# Allegro board SG2042_EVB_V2_0.brd (continued)
## Copper pours and planes (outline as drawn; the poured copper is in the pictures) (continued)
GND on ART03 (solid shape): 110.11,300.42 110.08,300.36 109.58,300.36 109.42,300.31 109.3,300.2 105.76,300.2 105,300.96 104.94,301 104.88,301.02 103.89,301.02 103.89,301.27 109.26,301.27
GND on ART03 (solid shape): 120.35,300.42 120.32,300.36 119.82,300.36 119.66,300.31 119.54,300.2 116,300.2 115.24,300.96 115.18,301 115.11,301.02 114.13,301.02 114.13,301.27 119.5,301.27
GND on ART03 (solid shape): 130.58,300.42 130.56,300.36 130.05,300.36 129.9,300.31 129.78,300.2 126.24,300.2 125.47,300.96 125.42,301 125.35,301.02 124.37,301.02 124.37,301.27 129.73,301.27
GND on ART03 (solid shape): 140.82,300.42 140.79,300.36 140.29,300.36 140.13,300.31 140.01,300.2 136.47,300.2 135.71,300.96 135.65,301 135.59,301.02 134.6,301.02 134.6,301.27 139.97,301.27
GND on ART03 (solid shape): 16.76,17.75 16.76,10.54 16.61,10.38 16.54,10.39 16.49,10.39 16.41,10.37 16.31,10.45 16.31,17.75 16.41,17.83 16.44,17.82 16.54,17.8 16.63,17.82 16.66,17.83
GND on ART03 (solid shape): 178.62,287.31 178.59,287.25 172.27,287.25 172.25,287.31 173.71,288.77 173.79,288.77 174.02,288.87 174.12,289.1 174.11,289.18 174.08,289.26 174.07,289.28 174.14,289.41 176.53,289.41
GND on ART03 (solid shape): 15.47,17.03 15.58,16.95 15.72,16.92 15.77,16.92 15.84,16.94 15.95,16.86 15.95,11.06 15.84,10.98 15.77,11 15.72,11 15.65,10.99 15.29,11.35 15.29,17 15.45,17.06
GND on ART03 (solid shape): 49.99,207.62 50.07,207.58 50.16,207.57 50.21,207.57 50.29,207.59 50.39,207.51 50.39,204.63 50.29,204.55 50.21,204.57 50.16,204.57 50.07,204.56 49.99,204.52 49.97,204.51 49.84,204.58 49.84,207.56 49.97,207.63
GND on ART03 (solid shape): 42.67,274.92 42.67,259.36 42.19,258.87 42.11,258.88 42.02,258.86 41.94,258.83 41.86,258.87 41.86,258.9 42.16,259.21 42.2,259.27 42.22,259.33 42.22,274.92 42.32,275 42.35,274.99 42.44,274.98 42.54,274.99 42.56,275
GND on ART03 (solid shape): 50.19,177.97 50.19,160.01 50.09,159.93 50.03,159.94 49.99,159.94 49.95,159.94 49.89,159.93 49.78,160.01 49.78,174.51 49.77,174.58 49.73,174.64 49.63,174.74 49.63,177.92 49.74,178 49.81,177.98 49.86,177.98 49.95,177.99 50.03,178.03 50.06,178.04
GND on ART03 (solid shape): 52.7,290.38 52.7,290.35 52.67,290.19 52.66,290.03 52.85,289.31 53.38,288.79 53.41,288.77 53.37,288.6 44.69,288.6 44.66,288.66 45.39,289.38 51.39,289.38 51.46,289.4 51.52,289.43 52.55,290.47
GND on ART03 (solid shape): 70.42,288.66 70.39,288.6 64.21,288.6 64.16,288.77 64.2,288.79 64.72,289.31 64.92,290.03 64.75,290.69 64.29,291.2 64.26,291.22 64.31,291.39 67.69,291.39
GND on ART03 (solid shape): 39.42,271.17 39.42,268.41 39.36,268.39 38.94,268.81 38.94,271.32 38.61,271.65 38.28,271.32 38.28,271.24 37.9,270.86 37.86,270.81 37.85,270.74 37.85,264.75 37.45,264.35 37.39,264.38 37.39,273.12 37.45,273.14
GND on ART03 (solid shape): 211.35,169.48 211.35,168.96 210.82,168.42 210.74,168.43 210.62,168.4 210.51,168.33 210.49,168.31 210.34,168.37 210.34,168.94 210.49,169 210.51,168.98 210.62,168.91 210.74,168.88 210.98,168.98 211.07,169.21 211.07,169.29 211.29,169.51
GND on ART03 (solid shape): 178.63,291.22 178.6,291.2 178.15,290.69 177.98,290.03 177.99,289.94 178,289.81 177.85,289.74 177.06,290.52 177,290.56 176.94,290.58 172.57,290.58 172.5,290.56 172.44,290.52 171.56,289.65 171.41,289.73 171.42,289.76 171.44,289.89 171.44,290.03 171.28,290.69 170.82,291.2 170.79,291.22 170.84,291.39 178.58,291.39
GND on ART03 (solid shape): 168.62,290.33 168.61,290.3 168.59,290.16 168.59,290.03 168.75,289.37 169.19,288.86 169.22,288.83 169.17,288.67 163.26,288.67 163.19,288.66 163.14,288.62 129.23,254.71 123.7,254.71 123.63,254.7 123.57,254.66 119.12,250.21 119.09,250.16 119.07,250.09 119.07,249.55 118.62,249.55 118.62,249.97 123.51,254.86 129.09,254.86 129.16,254.88 129.22,254.92 163.13,288.82 166.8,288.82 166.87,288.84 166.93,288.88 168.47,290.41
GND on ART03 (solid shape): 201.08,301.38 201.08,300.65 201.1,300.58 201.13,300.52 201.56,300.1 201.55,300.02 201.58,299.9 201.65,299.79 201.67,299.77 201.61,299.62 200.95,299.62 200.89,299.77 200.91,299.79 200.98,299.9 201.01,300.02 200.91,300.26 200.68,300.36 200.6,300.35 200.27,300.68 200.27,301.38 200.42,301.44 200.44,301.42 200.68,301.32 200.91,301.42 200.93,301.44
GND on ART03 (solid shape): 109.1,67.71 109.09,67.64 109.17,67.42 109.38,67.31 109.42,67.31 109.42,67.11 109.38,67.1 109.09,66.78 109.38,66.45 109.42,66.44 109.42,66.25 109.38,66.24 109.09,65.91 109.38,65.59 109.42,65.58 109.42,65.38 109.35,65.37 103.03,71.69 103.06,71.75 105.06,71.75
GND on ART03 (solid shape): 62.71,291.22 62.68,291.2 62.22,290.69 62.06,290.03 62.25,289.31 62.78,288.79 62.81,288.77 62.77,288.6 54.81,288.6 54.76,288.77 54.8,288.79 55.32,289.31 55.52,290.03 55.35,290.69 54.9,291.2 54.87,291.22 54.92,291.39 62.66,291.39
GND on ART03 (solid shape): 201.62,301.86 201.6,301.82 201.56,301.74 201.55,301.65 201.65,301.42 201.88,301.32 202.01,301.34 202.12,301.42 202.14,301.44 202.29,301.38 202.29,300.61 202.3,300.54 202.34,300.48 202.73,300.1 202.72,300.02 202.74,299.9 202.82,299.79 202.84,299.77 202.78,299.62 202.16,299.62 202.09,299.77 202.12,299.79 202.19,299.9 202.21,300.02 202.12,300.26 201.88,300.36 201.81,300.35 201.44,300.72 201.44,301.95 201.5,301.98
GND on ART03 (solid shape): 31.32,190.12 31.32,190.07 31.41,189.83 31.65,189.74 31.7,189.74 31.76,189.76 31.78,189.77 31.89,189.69 31.89,186.16 31.78,186.08 31.76,186.09 31.7,186.1 31.65,186.11 31.32,185.78 31.65,185.44 31.7,185.45 31.76,185.46 31.78,185.47 31.89,185.39 31.89,181.86 31.78,181.79 31.76,181.79 31.7,181.81 31.65,181.81 31.32,181.48 31.65,181.15 31.7,181.16 31.76,181.17 31.78,181.18 31.89,181.1 31.89,177.6 31.83,177.57 30.39,179.02 30.39,189.4 31.17,190.18
GND on ART03 (solid shape): outline of 82 points within 45.27,290.35 52.86,292.2
GND on ART03 (solid shape): 210.54,276.95 210.66,276.86 210.79,276.83 210.91,276.85 211.01,276.91 211.04,276.94 212.06,275.92 212.01,275.77 211.98,275.77 211.77,275.66 211.68,275.44 211.78,275.2 212.01,275.11 212.24,275.19 212.34,275.4 212.35,275.43 212.49,275.49 215.21,272.77 215.21,271.31 215.15,271.28 210.36,276.07 210.36,276.33 210.46,276.33 210.46,276.28 210.57,276.06 210.79,275.97 211.13,276.3 210.79,276.63 210.66,276.6 210.54,276.52 210.52,276.49 210.36,276.55 210.36,276.92 210.52,276.98
GND on ART03 (solid shape): 39.45,277.61 39.45,275.54 39.46,275.47 39.5,275.41 40.64,274.27 40.64,273.97 40.53,273.89 40.46,273.91 40.41,273.91 40.18,273.82 40.08,273.58 40.17,273.36 40.39,273.25 40.44,273.2 40.44,272.71 40.37,272.68 38.94,274.11 38.94,274.8 38.84,275.04 38.61,275.13 38.48,275.11 38.38,275.04 38.35,275.01 38.2,275.08 38.2,275.74 38.31,275.81 38.38,275.8 38.43,275.79 38.76,276.12 38.43,276.45 38.38,276.45 38.31,276.43 38.2,276.51 38.2,276.65 38.27,276.65 38.28,276.64 38.35,276.62 38.43,276.61 38.66,276.7 38.76,276.94 38.75,277.01 39.38,277.64
GND on ART03 (solid shape): outline of 129 points within 147.13,67.94 148.94,72.59
GND on ART03 (solid shape): outline of 138 points within 51.51,117.57 58.83,130.95
GND on ART03 (solid shape): outline of 144 points within 36.34,279.53 46.69,292.4
GND on ART03 (solid shape): outline of 149 points within 150.62,66.95 152.9,72.59
GND on ART03 (solid shape): outline of 221 points within 205.72,251.6 210.62,269.75
GND on ART03 (solid shape): outline of 243 points within 203.81,251.56 206.86,267.93
GND on ART03 (solid shape): outline of 1517 points within 156.97,283.4 210.41,301.68
GND on ART03 (solid shape): outline of 1735 points within 36.47,204.73 47.8,261.08
GND on ART03 (solid shape): outline of 2144 points within 204.34,80.25 225.91,171.57
GND on ART03 (solid shape): outline of 2666 points within 179.13,226.53 213.99,291.39
GND on ART03 (solid shape): outline of 3328 points within 14.81,126.32 47.32,264.32
GND on ART03 (solid shape): outline of 4474 points within 131.05,249.55 185.95,285.06
GND on ART03 (solid shape): outline of 5330 points within 41.86,247.91 102.45,286.41
GND on ART03 (solid shape): outline of 89414 points within 0.31,0.31 243.53,304.49
GND on GND04 (solid shape): outline of 232673 points within 0.31,0.31 243.53,304.49
GND on ART05 (solid shape): 25.15,200.17 25.15,191.34 24.75,190.95 24.69,190.98 24.69,200.54 24.75,200.57
GND on ART05 (solid shape): 25.17,217.95 25.17,209.53 24.75,209.11 24.69,209.14 24.69,218.34 24.75,218.37
GND on ART05 (solid shape): 107.73,139.1 107.7,139.04 106.98,139.04 105.67,140.36 105.67,140.72 106.12,140.72
GND on ART05 (solid shape): 199.61,156.1 199.14,155.63 154.36,155.63 154.33,155.69 154.8,156.16 199.58,156.16
GND on ART05 (solid shape): 18.31,167.71 18.31,159.92 15.98,157.58 15.45,157.58 15.38,157.57 15.33,157.53 14.13,156.34 14.07,156.37 14.07,163.56 18.25,167.74
GND on ART05 (solid shape): 130.45,188.38 130.35,188.3 130.29,188.31 130.25,188.32 130.21,188.31 130.15,188.3 130.05,188.38 130.05,191.9 130.45,191.9
GND on ART05 (solid shape): 91.81,301.51 91.21,300.91 90.33,300.91 90.26,301.04 90.27,301.07 90.32,301.24 90.27,301.42 90.26,301.44 90.33,301.57 91.78,301.57
GND on ART05 (solid shape): 102.05,301.51 101.45,300.91 100.57,300.91 100.49,301.04 100.51,301.07 100.56,301.24 100.51,301.42 100.49,301.44 100.57,301.57 102.02,301.57
GND on ART05 (solid shape): 112.28,301.51 111.69,300.91 110.8,300.91 110.73,301.04 110.75,301.07 110.8,301.24 110.75,301.42 110.73,301.44 110.8,301.57 112.26,301.57
GND on ART05 (solid shape): 122.52,301.51 121.92,300.91 121.04,300.91 120.97,301.04 120.98,301.07 121.03,301.24 120.98,301.42 120.97,301.44 121.04,301.57 122.49,301.57
GND on ART05 (solid shape): 132.76,301.51 132.16,300.91 131.27,300.91 131.2,301.04 131.22,301.07 131.27,301.24 131.22,301.42 131.2,301.44 131.27,301.57 132.73,301.57
GND on ART05 (solid shape): 142.99,301.51 142.39,300.91 141.51,300.91 141.44,301.04 141.45,301.07 141.5,301.24 141.45,301.42 141.44,301.44 141.51,301.57 142.97,301.57
GND on ART05 (solid shape): 46.08,289.36 46.08,286.81 45.94,286.74 45.91,286.75 45.82,286.8 45.72,286.82 45.61,286.8 45.51,286.74 45.48,286.72 45.34,286.78 45.34,288.72 46.01,289.39
GND on ART05 (solid shape): 218.87,278.96 218.87,278.89 218.88,278.8 218.91,278.72 218.93,278.7 218.86,278.57 218.03,278.57 217.14,279.45 217.14,279.66 217.27,279.79 217.31,279.84 217.32,279.91 217.32,280.21 217.62,280.21
GND on ART05 (solid shape): 45.51,286.23 45.61,286.18 45.72,286.16 45.82,286.17 45.91,286.22 45.94,286.24 46.08,286.17 46.08,283.23 45.92,283.17 45.9,283.2 45.78,283.28 45.64,283.31 45.56,283.3 45.49,283.27 45.46,283.26 45.34,283.33 45.34,286.19 45.48,286.25
GND on ART05 (solid shape): 51.75,154.94 51.72,154.88 50.4,154.88 50.31,154.97 50.32,155.02 49.99,155.35 49.66,155.02 49.66,154.97 49.58,154.88 49.18,154.88 48,156.06 48.02,156.13 50.56,156.13
GND on ART05 (solid shape): 208.18,167.97 208.18,166.52 208.03,166.45 208,166.48 207.9,166.55 207.77,166.57 207.21,166.57 206.98,166.48 206.88,166.24 206.92,166.08 207.03,165.96 207.03,162.95 206.5,162.41 206.44,162.44 206.44,166.31 208.12,167.99
GND on ART05 (solid shape): 212.78,275.3 212.85,275.26 212.92,275.24 213.16,275.24 213.16,274.99 213.17,274.92 213.21,274.87 213.36,274.72 213.41,274.68 213.48,274.67 213.74,274.67 213.74,274.42 213.75,274.35 213.79,274.29 214.34,273.74 214.4,273.7 214.47,273.68 215.06,273.68 215.06,273.18 213.03,273.18 211.01,275.2 211.03,275.26 211.74,275.26 211.86,275.15 212.01,275.11 212.18,275.15 212.31,275.28 212.32,275.31 212.77,275.31
GND on ART05 (solid shape): 216.46,169.18 216.03,168.74 216.01,168.72 215.98,168.68 215.95,168.63 215.93,168.58 215.91,168.52 215.91,168.47 215.91,168.44 215.91,165.33 213.63,163.05 213.57,163.08 213.57,167.23 215.11,167.23 215.11,167.18 215.12,167.13 215.14,167.08 215.16,167.04 215.19,166.99 215.23,166.96 215.27,166.93 215.32,166.9 215.37,166.89 215.42,166.88 215.47,166.88 215.52,166.89 215.57,166.9 215.62,166.93 215.66,166.96 215.69,166.99 215.73,167.04 215.75,167.08 215.76,167.13 215.77,167.18 215.77,167.23 215.76,167.29 215.75,167.33 215.73,167.38 215.69,167.42 215.66,167.46 215.62,167.49 215.57,167.51 215.52,167.53 215.47,167.54 215.42,167.54 215.37,167.53 215.32,167.51 215.27,167.49 215.23,167.46 215.19,167.42 215.16,167.38 215.14,167.33 215.12,167.29 215.11,167.23 213.57,167.23 213.57,167.83 214.98,169.24 216.44,169.24
GND on ART05 (solid shape): 46.48,247.24 46.48,246.22 45.07,244.81 44.93,244.84 44.92,244.87 44.8,245.04 44.6,245.11 44.37,245.01 44.27,244.78 44.34,244.58 44.51,244.46 44.54,244.45 44.57,244.31 44.05,243.79 43.91,243.83 43.9,243.86 43.79,244.03 43.59,244.09 43.35,244 43.26,243.76 43.32,243.56 43.49,243.45 43.52,243.44 43.56,243.3 42.22,241.96 41.86,241.96 41.76,242.06 41.62,242.11 41.58,242.12 41.58,242.42 46.42,247.26
GND on ART05 (solid shape): outline of 118 points within 162.36,80.8 174.09,83.02
GND on ART05 (solid shape): 56.23,179.58 56.24,179.56 56.47,179.31 56.79,179.22 56.79,178.92 56.56,178.69 56.55,178.69 56.28,178.46 56.18,178.13 56.21,177.92 56.32,177.73 56.34,177.71 56.31,177.58 56.28,177.57 56.1,177.49 55.93,177.38 55.91,177.36 55.78,177.41 55.78,177.44 55.56,177.76 55.19,177.89 54.76,177.71 54.58,177.27 54.59,177.18 54.61,177.09 54.53,177.03 54.49,177.06 54.46,177.09 54.35,177.21 53.99,177.48 53.57,177.66 53.55,177.67 53.5,177.79 53.51,177.81 53.58,177.96 53.6,178.13 53.59,178.24 53.55,178.35 53.55,178.37 53.6,178.48 53.62,178.49 54.04,178.67 54.42,178.94 54.44,178.96 54.58,178.91 54.59,178.88 54.79,178.51 55.19,178.36 55.62,178.54 55.8,178.98 55.78,179.13 55.72,179.27 55.71,179.29 55.75,179.4 55.77,179.41 55.94,179.49 56.09,179.59 56.11,179.61
GND on ART05 (solid shape): outline of 183 points within 108.05,170.21 121.78,192.55
GND on ART05 (solid shape): outline of 199 points within 137.57,94.5 155.52,96.09
GND on ART05 (solid shape): outline of 114935 points within 0.31,0.31 243.53,304.49
GND on GND06 (solid shape): outline of 210010 points within 0.31,0.31 243.53,304.49
GND on ART07 (solid shape): 129.45,189.29 129.45,189.14 129.35,189.06 129.29,189.08 129.25,189.08 129.21,189.08 129.15,189.06 129.05,189.14 129.05,192.55 129.45,192.55
GND on ART07 (solid shape): 93.17,296.88 93.31,296.82 93.37,296.68 93.33,296.56 93.23,296.49 93.1,296.44 92.93,296.15 92.96,296.02 92.93,295.99 90.95,295.99 90.95,296.05 90.96,296.06 91,296.12 91.07,296.16 91.2,296.2 91.37,296.5 91.34,296.64 91.34,296.68 91.4,296.82 91.54,296.88
GND on ART07 (solid shape): 103.4,296.88 103.55,296.82 103.61,296.68 103.57,296.56 103.47,296.49 103.34,296.44 103.17,296.15 103.19,296.02 103.16,295.99 101.19,295.99 101.19,296.05 101.19,296.06 101.24,296.12 101.31,296.16 101.44,296.2 101.61,296.5 101.58,296.64 101.58,296.68 101.64,296.82 101.78,296.88
GND on ART07 (solid shape): 113.64,296.88 113.78,296.82 113.84,296.68 113.81,296.56 113.7,296.49 113.57,296.44 113.4,296.15 113.43,296.02 113.4,295.99 111.42,295.99 111.42,296.05 111.43,296.06 111.48,296.12 111.55,296.16 111.68,296.2 111.85,296.5 111.82,296.64 111.81,296.68 111.87,296.82 112.02,296.88
GND on ART07 (solid shape): 123.88,296.88 124.02,296.82 124.08,296.68 124.04,296.56 123.94,296.49 123.81,296.44 123.64,296.15 123.67,296.02 123.64,295.99 121.66,295.99 121.66,296.05 121.66,296.06 121.71,296.12 121.78,296.16 121.91,296.2 122.08,296.5 122.05,296.64 122.05,296.68 122.11,296.82 122.25,296.88
GND on ART07 (solid shape): 134.11,296.88 134.26,296.82 134.32,296.68 134.28,296.56 134.18,296.49 134.05,296.44 133.88,296.15 133.9,296.02 133.87,295.99 131.9,295.99 131.9,296.05 131.9,296.06 131.95,296.12 132.02,296.16 132.15,296.2 132.32,296.5 132.29,296.64 132.28,296.68 132.34,296.82 132.49,296.88
GND on ART07 (solid shape): 144.35,296.88 144.49,296.82 144.55,296.68 144.51,296.56 144.41,296.49 144.28,296.44 144.11,296.15 144.14,296.02 144.11,295.99 142.13,295.99 142.13,296.05 142.14,296.06 142.19,296.12 142.25,296.16 142.39,296.2 142.56,296.5 142.53,296.64 142.52,296.68 142.58,296.82 142.72,296.88
GND on ART07 (solid shape): 106.04,146.02 106.25,145.81 106.04,145.61 104.45,145.61 104.18,145.3 104.21,145.1 104.18,144.98 104.07,144.91 103.94,144.87 103.77,144.57 103.8,144.44 103.81,144.39 103.75,144.25 103.61,144.19 101.98,144.19 101.84,144.25 101.78,144.39 101.81,144.51 101.92,144.58 102.05,144.63 102.22,144.93 102.19,145.06 102.18,145.1 102.19,145.15 102.22,145.28 102.05,145.58 101.92,145.62 101.81,145.7 101.78,145.81 101.84,145.96 101.98,146.02
GND on ART07 (solid shape): 60.24,230.26 60.23,230.23 60.19,230.11 60.18,229.98 60.35,229.54 60.79,229.37 60.79,228.89 60.35,228.71 60.18,228.28 60.19,228.14 60.23,228.02 60.24,227.99 60.17,227.87 60.06,227.87 59.69,227.95 59.38,228.16 59.36,228.18 58.75,228.58 58.04,228.72 57.41,228.72 57.33,228.84 57.34,228.87 57.38,228.97 57.4,229.08 57.4,229.1 58.02,229.72 58.74,230.21 59.6,230.38 60.17,230.38
GND on ART07 (solid shape): outline of 123 points within 207.94,205.18 224.13,222.94
GND on ART07 (solid shape): 173.7,236.33 174.07,236.25 174.39,236.04 174.41,236.02 174.74,235.76 175.13,235.57 175.16,235.56 175.18,235.41 175.15,235.39 175.02,235.27 174.98,235.1 175.31,234.77 175.64,235.1 175.62,235.21 175.57,235.31 175.55,235.34 175.62,235.48 175.73,235.48 176.09,235.48 176.17,235.36 176.16,235.33 176.12,235.21 176.1,235.08 176.28,234.64 176.71,234.47 177.08,234.59 177.3,234.91 177.31,234.93 177.43,234.98 177.45,234.96 177.62,234.86 177.8,234.77 177.83,234.76 177.86,234.63 177.84,234.61 177.74,234.43 177.7,234.23 177.74,234.03 177.83,233.85 177.85,233.83 177.82,233.7 177.79,233.69 177.62,233.6 177.45,233.5 177.43,233.48 177.3,233.53 177.3,233.55 177.08,233.86 176.71,233.99 176.28,233.81 176.1,233.38 176.12,233.24 176.16,233.12 176.17,233.09 176.09,232.97 175.73,232.97 175.35,233.05 175.04,233.26 175.02,233.28 174.42,233.68 173.7,233.82 173.33,233.82 173.26,233.94 173.27,233.97 173.31,234.09 173.32,234.23 173.15,234.66 172.71,234.84 172.67,234.83 172.59,234.91 172.59,235.24 172.67,235.32 172.71,235.31 173.15,235.49 173.32,235.93 173.31,236.06 173.27,236.18 173.26,236.21 173.33,236.33
GND on ART07 (solid shape): outline of 228 points within 64.64,0.31 243.53,304.49
GND on ART07 (solid shape): outline of 262 points within 104.05,158.7 129.45,192.55
GND on ART07 (solid shape): outline of 1498 points within 166.78,263.69 180.19,277.11
GND on ART07 (solid shape): outline of 10675 points within 66.26,224.69 168.33,291.44
GND on ART07 (solid shape): outline of 18545 points within 132.62,148.36 183.65,263.1
GND on ART07 (solid shape): outline of 21429 points within 48.4,20.63 223.39,140.8
GND on ART07 (solid shape): outline of 46239 points within 0.31,0.31 173.45,304.49
GND on PWR08 (solid shape): 173.45,143.91 167.26,137.72 157.24,137.72 157.21,137.78 163.4,143.97 173.42,143.97
GND on PWR08 (solid shape): 104.45,200.1 104.45,196.95 104.35,196.87 104.29,196.88 104.25,196.88 104.21,196.88 104.15,196.87 104.05,196.95 104.05,200.1 104.15,200.18 104.21,200.17 104.25,200.17 104.29,200.17 104.35,200.18
GND on PWR08 (solid shape): 113.45,198.1 113.45,194.95 113.35,194.87 113.29,194.88 113.25,194.88 113.21,194.88 113.15,194.87 113.05,194.95 113.05,198.1 113.15,198.18 113.21,198.17 113.25,198.17 113.29,198.17 113.35,198.18
GND on PWR08 (solid shape): 122.45,200.1 122.45,196.95 122.35,196.87 122.29,196.88 122.25,196.88 122.21,196.88 122.15,196.87 122.05,196.95 122.05,200.1 122.15,200.18 122.21,200.17 122.25,200.17 122.29,200.17 122.35,200.18
GND on PWR08 (solid shape): 129.45,198.15 129.45,189.14 129.35,189.06 129.29,189.08 129.25,189.08 129.21,189.08 129.15,189.06 129.05,189.14 129.05,198.15 129.15,198.23 129.21,198.22 129.25,198.22 129.29,198.22 129.35,198.23
GND on PWR08 (solid shape): outline of 231 points within 104.05,158.7 129.45,195.23
GND on PWR08 (solid shape): outline of 772 points within 194.13,178.63 222.48,222.94
GND on PWR08 (solid shape): outline of 7726 points within 49.48,21.36 222.48,130.31
GND on PWR08 (solid shape): outline of 101818 points within 0.31,0.31 243.53,304.49
GND on GND09 (solid shape): outline of 232817 points within 0.31,0.31 243.53,304.49
GND on ART10 (solid shape): 39.27,290.58 39.28,290.55 39.38,290.44 39.52,290.38 39.55,290.37 39.6,290.23 38.76,289.38 38.01,289.38 37.98,289.45 39.13,290.6
GND on ART10 (solid shape): 71.81,288.56 71.79,288.49 63.7,288.49 63.7,288.61 63.74,288.62 64.92,290.03 63.74,291.43 63.7,291.44 63.7,292.02 68.34,292.02
GND on ART10 (solid shape): 41.41,293.74 37.74,290.07 37.07,290.07 36.99,290.18 37,290.25 37.01,290.3 36.91,290.53 36.68,290.63 36.61,290.62 36.45,290.78 36.45,290.87 36.51,290.87 36.52,290.87 36.6,290.84 36.68,290.83 36.91,290.93 37.01,291.16 37,291.23 39.57,293.8 41.39,293.8
GND on ART10 (solid shape): outline of 321 points within 38.61,288.32 66.73,292.02
GND on ART10 (solid shape): outline of 1066 points within 63.7,0.31 243.53,304.49
GND on ART10 (solid shape): outline of 1644 points within 63.7,249.55 106.93,286.87
GND on ART10 (solid shape): outline of 85386 points within 0.31,0.31 183.54,304.49
GND on GND11 (solid shape): outline of 218691 points within 0.31,0.31 243.53,304.49
GND on ART12 (solid shape): 88.61,217.75 88.68,217.73 88.75,217.72 88.79,217.72 88.85,217.73 88.95,217.65 88.95,215.45 88.85,215.37 88.79,215.38 88.75,215.38 88.68,215.37 88.61,215.35 88.58,215.34 88.46,215.41 88.46,217.69 88.58,217.76
GND on ART12 (solid shape): 88.61,212.75 88.68,212.73 88.75,212.72 88.79,212.72 88.85,212.73 88.95,212.65 88.95,210.45 88.85,210.37 88.79,210.38 88.75,210.38 88.68,210.37 88.61,210.35 88.58,210.34 88.46,210.41 88.46,212.69 88.58,212.76
GND on ART12 (solid shape): 88.61,207.75 88.68,207.73 88.75,207.72 88.79,207.72 88.85,207.73 88.95,207.65 88.95,204.45 88.85,204.37 88.79,204.38 88.75,204.38 88.68,204.37 88.61,204.35 88.58,204.34 88.46,204.41 88.46,207.69 88.58,207.76
GND on ART12 (solid shape): 134.32,200.38 134.52,200.28 134.74,200.25 137.35,200.25 137.43,200.15 137.42,200.09 137.42,200.05 137.44,199.94 137.5,199.84 137.52,199.81 137.45,199.67 134.16,199.67 134.16,200.32 134.29,200.39
GND on ART12 (solid shape): 194.67,300.72 194.67,300.6 194.58,300.6 194.57,300.63 194.45,300.78 194.26,300.84 193.93,300.51 194.26,300.18 194.39,300.2 194.49,300.27 194.52,300.3 194.67,300.23 194.67,299.49 194.6,299.47 191.24,302.83 191.26,302.89 192.49,302.89
GND on ART12 (solid shape): 145.56,74.7 145.55,74.67 145.52,74.59 145.51,74.5 145.51,74.3 145.41,74.22 145.38,74.23 145.32,74.24 145.26,74.25 145.1,74.22 144.96,74.12 144.06,73.23 143.95,73.23 143.93,73.25 143.81,73.34 143.66,73.37 143.62,73.37 143.56,73.36 143.46,73.44 143.46,74.19 143.56,74.27 143.62,74.26 143.66,74.26 143.91,74.36 144.02,74.61 144.02,74.65 144,74.72 144.08,74.82 145.48,74.82
GND on ART12 (solid shape): 140.25,75.62 140.29,75.62 140.34,75.57 140.34,74.12 140.31,74.11 140.18,73.98 140.13,73.81 140.13,73.77 140.15,73.71 140.07,73.61 139.26,73.61 139.18,73.71 139.19,73.77 139.19,73.81 139.19,73.87 139.18,73.92 139.17,73.95 139.24,74.06 139.54,74.06 139.71,74.09 139.85,74.19 139.97,74.31 140.06,74.45 140.1,74.61 140.07,74.76 140,74.88 140.07,75.01 140.1,75.16 140.1,75.41 140.1,75.46 140.08,75.54 140.18,75.64
GND on ART12 (solid shape): 139.89,77.29 139.88,77.27 139.87,77.21 139.87,77.15 139.87,76.07 139.87,76.02 139.88,75.96 139.89,75.93 139.79,75.83 139.71,75.85 139.66,75.85 139.36,75.72 139.23,75.41 139.23,75.34 139.05,75.16 138.5,75.16 138.42,75.27 138.43,75.29 138.44,75.35 138.44,75.41 138.42,75.53 138.37,75.64 138.34,75.68 138.99,76.32 139.09,76.47 139.12,76.63 139.12,76.65 139.17,76.71 139.26,76.85 139.3,77.01 139.28,77.13 139.24,77.24 139.22,77.26 139.29,77.39 139.56,77.39 139.61,77.38 139.66,77.38 139.71,77.38 139.79,77.4
GND on ART12 (solid shape): 145.51,72.52 145.51,69.27 144.99,68.75 144.95,68.79 144.88,68.85 144.81,68.9 144.78,68.92 144.83,69.09 144.99,69.09 145.35,69.44 144.99,69.8 144.38,69.8 144.13,69.7 144.02,69.44 144.08,69.26 144.22,69.13 144.25,69.11 144.24,68.95 144.21,68.94 144.11,68.89 144.01,68.82 143.99,68.79 143.84,68.86 143.84,69.86 144.89,70.91 144.98,71.05 145.02,71.22 145.02,72.58 145.26,72.58 145.32,72.58 145.41,72.6
GND on ART12 (solid shape): 135.83,77.52 135.97,77.42 136.14,77.39 137.63,77.39 137.71,77.26 137.69,77.24 137.64,77.13 137.63,77.01 137.66,76.85 137.75,76.71 137.78,76.68 137.72,76.61 137.61,76.61 137.6,76.64 137.35,76.95 136.98,77.07 136.97,77.07 136.59,76.95 136.35,76.64 136.34,76.61 136.11,76.61 135.95,76.58 135.8,76.48 135.58,76.25 135.33,76.25 135.28,76.41 135.3,76.43 135.4,76.56 135.43,76.71 135.43,77.32 135.08,77.67 134.72,77.32 134.72,76.71 134.72,76.65 134.57,76.58 133.12,78.03 133.15,78.1 135.25,78.1
GND on ART12 (solid shape): outline of 81 points within 88.46,199.44 99.03,201.76
GND on ART12 (solid shape): outline of 140 points within 142.98,199.67 145.64,221.99
GND on ART12 (solid shape): outline of 1312 points within 98.55,199.49 134.26,203.35
GND on ART12 (solid shape): outline of 6745 points within 88.04,191.54 145.54,221.99
GND on ART12 (solid shape): outline of 80786 points within 0.31,0.31 243.53,304.49
GND on GND13 (solid shape): outline of 233034 points within 0.31,0.31 243.53,304.49
GND on ART14 (solid shape): 49.76,284.79 49.76,276.47 49.7,276.44 49.35,276.79 49.35,284.47 49.7,284.82
GND on ART14 (solid shape): 168.43,79.9 168.43,77.62 165.02,74.22 164.99,74.16 164.97,74.09 164.97,70.49 164.81,70.33 164.74,70.35 164.74,76.3 168.36,79.92
GND on ART14 (solid shape): 50.16,262.73 50.16,262.1 48.76,260.7 48.65,260.7 48.59,260.69 48.49,260.77 48.49,261.14 50.1,262.75
GND on ART14 (solid shape): 188.85,283.69 188.85,280.74 188.72,280.67 188.7,280.68 188.62,280.71 188.54,280.72 188.51,280.72 188.44,280.71 188.34,280.79 188.34,284.11 188.4,284.14
GND on ART14 (solid shape): 45.97,285.25 45.97,283.32 45.84,283.25 45.82,283.26 45.73,283.3 45.64,283.31 45.58,283.31 45.53,283.29 45.5,283.28 45.39,283.36 45.39,284.75 45.91,285.27
GND on ART14 (solid shape): 159.92,76.14 159.92,60.68 159.56,60.32 159.28,60.32 159.28,76.13 159.41,76.2 159.43,76.19 159.51,76.16 159.59,76.15 159.68,76.16 159.76,76.2 159.79,76.21
GND on ART14 (solid shape): 160.73,58.89 160.73,57.44 160.67,57.41 160.07,58.01 160.07,58.74 160.18,58.82 160.25,58.8 160.3,58.8 160.44,58.83 160.55,58.92 160.57,58.94
GND on ART14 (solid shape): 206.68,300.53 206.68,296.85 206.69,296.78 206.73,296.72 207.11,296.34 207.11,295.72 207.05,295.69 206.27,296.47 206.27,299.69 206.26,299.76 206.22,299.82 203.21,302.83 203.24,302.89 204.31,302.89
GND on ART14 (solid shape): 185.39,265.98 185.39,264.01 185.24,263.85 185.17,263.86 185.12,263.85 185.04,263.83 184.94,263.91 184.94,265.98 185.04,266.06 185.07,266.05 185.17,266.04 185.26,266.05 185.29,266.06
GND on ART14 (solid shape): 193.52,268.22 193.52,265.78 193.37,265.63 193.29,265.63 193.25,265.63 193.17,265.61 193.07,265.69 193.07,268.22 193.17,268.3 193.2,268.29 193.29,268.27 193.39,268.29 193.42,268.3
GND on ART14 (solid shape): 204.93,258.82 204.93,251.76 204.8,251.63 204.72,251.64 204.51,251.56 204.4,251.35 204.39,251.31 204.29,251.31 204.29,258.27 204.86,258.85
GND on ART14 (solid shape): 167.3,75.9 167.3,65.49 162.61,60.81 162.53,60.81 162.4,60.78 162.28,60.69 162.26,60.66 162.1,60.72 162.1,67.12 165.28,70.29 165.32,70.35 165.33,70.42 165.33,74.02 167.23,75.92
GND on ART14 (solid shape): 189.97,285.14 189.97,281.65 189.86,281.57 189.8,281.58 189.76,281.58 189.68,281.58 189.61,281.55 189.58,281.53 189.46,281.61 189.46,283.87 189.45,283.94 189.41,284 186.17,287.24 186.2,287.3 187.81,287.3
GND on ART14 (solid shape): 204.01,274.96 204.06,274.95 204.14,274.96 204.27,274.83 204.27,272.71 204.16,272.63 204.1,272.64 204.06,272.64 204.01,272.64 203.94,272.62 203.84,272.7 203.84,274.9 203.94,274.98
GND on ART14 (solid shape): 163.64,73.13 163.65,73.1 163.77,72.95 163.96,72.9 164.1,72.93 164.21,73.01 164.23,73.04 164.39,72.98 164.39,70.48 161.35,67.45 161.29,67.47 161.29,70.94 163.5,73.16
GND on ART14 (solid shape): 42.12,275.38 42.11,275.31 42.21,275.08 42.44,274.98 42.49,274.98 42.56,275 42.67,274.92 42.67,262.22 42.61,262.19 41.55,263.24 41.55,275.86 41.62,275.88
GND on ART14 (solid shape): 49.76,272.28 49.76,263.2 49.46,262.9 49.4,262.93 49.4,270.43 49.38,270.49 49.34,270.55 48.79,271.11 48.81,271.24 48.84,271.25 48.97,271.38 49.02,271.55 49.02,271.62 49.7,272.3
GND on ART14 (solid shape): 168.68,290.53 168.66,290.49 168.6,290.26 168.59,290.03 168.75,289.37 169.19,288.86 169.22,288.83 169.17,288.67 166.66,288.67 166.63,288.73 168.52,290.62
GND on ART14 (solid shape): 201.13,272.16 201.23,272.1 201.35,272.08 201.45,272.1 201.54,272.15 201.57,272.17 201.7,272.1 201.7,270.19 201.57,270.12 201.54,270.14 201.45,270.19 201.35,270.21 201.27,270.2 200.97,270.51 200.97,272.12 201.11,272.18
GND on ART14 (solid shape): 183.57,292.08 183.57,292.05 183.67,291.83 183.9,291.74 184.45,291.74 184.65,291.81 184.77,291.98 184.78,292.01 184.92,292.04 187.47,289.5 187.44,289.43 183.52,289.43 180.86,292.09 180.89,292.15 183.48,292.15
GND on ART14 (solid shape): 193.03,110.82 193.14,110.74 193.27,110.72 193.33,110.72 193.38,110.74 193.41,110.75 193.52,110.67 193.52,108.43 193.41,108.43 193.4,108.47 193.29,108.68 193.08,108.76 193.03,108.76 192.96,108.74 192.86,108.82 192.86,110.78 193.01,110.84
GND on ART14 (solid shape): 201.7,255.59 201.7,253.68 201.57,253.61 201.54,253.63 201.45,253.68 201.35,253.7 201.28,253.69 201.21,253.67 201.18,253.66 201.07,253.73 201.07,254.08 201.32,254.33 201.36,254.39 201.37,254.46 201.37,255.42 201.36,255.48 201.42,255.58 201.44,255.59 201.49,255.61 201.54,255.64 201.57,255.66
GND on ART14 (solid shape): 184.84,255.67 184.84,255.6 184.93,255.37 185.17,255.27 185.21,255.27 185.29,255.29 185.39,255.21 185.39,251.21 185.29,251.13 185.21,251.15 185.17,251.16 185.09,251.15 184.18,252.07 184.18,256.25 184.24,256.28
GND on ART14 (solid shape): 182.99,288.73 182.97,288.67 180.25,288.67 180.2,288.83 180.23,288.86 180.68,289.37 180.84,290.03 180.68,290.69 180.22,291.2 180.19,291.22 180.24,291.39 180.34,291.39
GND on ART14 (solid shape): 169.27,28.16 169.27,28.09 169.36,27.86 169.6,27.76 169.72,27.79 169.83,27.86 169.85,27.88 170,27.82 170,27.25 169.85,27.19 169.83,27.21 169.72,27.28 169.6,27.31 169.52,27.3 168.76,28.06 168.76,28.59 168.82,28.62
GND on ART14 (solid shape): 208.23,299.84 208.23,298.19 208.08,298.13 208.06,298.15 207.95,298.22 207.82,298.25 207.49,297.92 207.82,297.59 207.95,297.61 208.06,297.68 208.08,297.71 208.23,297.64 208.23,293.47 207.73,292.98 207.67,293 207.67,296.5 207.66,296.57 207.62,296.63 207.24,297.01 207.24,300.74 207.3,300.77
GND on ART14 (solid shape): 48.37,258.42 48.36,258.34 48.46,258.11 48.69,258.01 48.73,258.01 48.79,258.03 48.89,257.95 48.89,255.43 48.83,255.41 47.88,256.36 47.88,256.53 47.98,256.61 48.04,256.59 48.08,256.59 48.32,256.69 48.41,256.92 48.33,257.14 48.13,257.25 48.08,257.25 48.08,258.61 48.15,258.64
GND on ART14 (solid shape): 127.83,201.66 127.82,201.59 127.82,201.55 127.85,201.39 127.93,201.26 127.85,201.12 127.82,200.97 127.82,200.55 127.92,200.27 128.18,200.12 128.23,200.11 128.23,199.36 128.16,199.33 127.94,199.56 127.85,199.62 127.76,199.66 127.74,199.67 127.56,199.86 127.45,199.94 127.32,199.98 127.27,199.99 127.27,201.04 127.24,201.21 127.15,201.35 126.94,201.56 126.89,201.6 126.95,201.75 127.75,201.75
GND on ART14 (solid shape): 129.83,201.66 129.82,201.59 129.82,201.55 129.85,201.39 129.93,201.26 129.85,201.12 129.82,200.97 129.82,200.55 129.92,200.27 130.18,200.12 130.23,200.11 130.23,199.36 130.16,199.33 129.94,199.56 129.85,199.62 129.76,199.66 129.74,199.67 129.56,199.86 129.45,199.94 129.32,199.98 129.27,199.99 129.27,201.04 129.24,201.21 129.15,201.35 128.94,201.56 128.89,201.6 128.95,201.75 129.75,201.75
GND on ART14 (solid shape): 194.39,110.67 194.39,106.93 194.29,106.7 194.06,106.61 192.95,106.61 192.76,106.65 192.6,106.76 192.61,106.8 192.61,106.83 192.6,106.91 192.57,106.99 192.55,107.01 192.63,107.14 192.65,107.14 193.52,107.53 193.88,108.41 193.88,110.67 193.99,110.75 194.02,110.74 194.07,110.72 194.13,110.72 194.19,110.72 194.25,110.74 194.27,110.75
GND on ART14 (solid shape): 201.96,246.73 201.95,246.66 202.05,246.43 202.29,246.33 202.32,246.33 202.39,246.34 202.49,246.26 202.49,244.54 202.39,244.46 202.32,244.47 202.29,244.48 201.95,244.14 202.29,243.81 202.32,243.82 202.39,243.83 202.49,243.75 202.49,243.32 202.39,243.24 202.32,243.25 202.21,243.25 201.8,243.66 201.8,246.8 201.87,246.83
GND on ART14 (solid shape): 135.79,89.56 136.24,89.85 136.77,89.93 136.85,89.85 136.84,89.81 136.9,89.59 137.06,89.44 137.08,89.42 137.09,89.29 137.07,89.27 136.99,89.18 136.95,89.07 136.94,89.03 136.8,89.03 136.79,89.07 136.68,89.26 136.47,89.34 136.24,89.24 136.14,89.01 135.79,88.94 135.45,88.81 135.43,88.8 135.31,88.87 135.31,89.07
GND on ART14 (solid shape): 144.41,103.74 144.61,103.51 144.9,103.38 144.94,103.37 144.94,102.83 144.85,102.83 144.77,102.91 144.77,102.95 144.64,103.26 144.32,103.39 144.19,103.37 144.07,103.31 144.06,103.3 143.98,103.3 143.96,103.31 143.85,103.37 143.71,103.39 143.4,103.26 143.27,102.95 143.3,102.78 143.4,102.63 143.45,102.58 143.45,102.54 143.51,102.24 143.67,101.97 143.69,101.95 143.64,101.81 143.62,101.8 143.38,101.67 143.27,101.42 143.27,101.37 143.09,101.37 143.09,103.74
GND on ART14 (solid shape): 148.49,103.74 148.7,103.51 148.99,103.38 149.03,103.37 149.03,102.83 148.94,102.83 148.86,102.91 148.86,102.95 148.73,103.26 148.41,103.39 148.28,103.37 148.16,103.31 148.15,103.3 148.07,103.3 148.05,103.31 147.93,103.37 147.8,103.39 147.49,103.26 147.36,102.95 147.39,102.78 147.49,102.63 147.54,102.58 147.54,102.54 147.59,102.24 147.76,101.97 147.78,101.95 147.73,101.81 147.7,101.8 147.47,101.67 147.36,101.42 147.36,101.37 147.18,101.37 147.18,103.74
GND on ART14 (solid shape): 47.76,274.26 47.75,274.19 47.85,273.96 48.08,273.86 48.17,273.88 48.26,273.91 48.34,273.87 48.34,273.84 47.17,272.67 47.13,272.61 47.12,272.54 47.12,264.82 47.13,264.75 47.17,264.69 47.76,264.1 47.75,264.03 47.85,263.8 48.08,263.7 48.22,263.73 48.33,263.82 48.36,263.85 48.51,263.79 48.51,262.53 47.58,261.59 47.54,261.54 47.52,261.47 47.52,256.29 47.54,256.22 47.58,256.16 48.46,255.27 48.46,255.19 48.32,255.12 48.3,255.14 48.2,255.2 48.08,255.22 48.01,255.21 46.33,256.89 46.33,275.6 46.39,275.63
GND on ART14 (solid shape): 152.58,103.74 152.79,103.51 153.08,103.38 153.12,103.37 153.12,102.83 153.03,102.83 152.94,102.91 152.95,102.95 152.82,103.26 152.5,103.39 152.37,103.37 152.25,103.31 152.24,103.3 152.16,103.3 152.14,103.31 152.02,103.37 151.89,103.39 151.58,103.26 151.45,102.95 151.48,102.78 151.58,102.63 151.63,102.58 151.63,102.54 151.68,102.24 151.85,101.97 151.87,101.95 151.82,101.81 151.79,101.8 151.55,101.65 151.45,101.38 151.45,101.33 151.27,101.33 151.27,103.74
GND on ART14 (solid shape): 139.84,104.3 139.84,103.74 140.32,103.74 140.52,103.51 140.81,103.38 140.85,103.37 140.85,102.83 140.76,102.83 140.68,102.91 140.68,102.95 140.55,103.26 140.23,103.39 140.1,103.37 139.98,103.31 139.97,103.3 139.89,103.3 139.88,103.31 139.76,103.37 139.62,103.39 139.31,103.26 139.18,102.95 139.21,102.78 139.31,102.63 139.36,102.58 139.36,102.54 139.42,102.24 139.58,101.97 139.6,101.95 139.55,101.81 139.53,101.8 139.29,101.67 139.18,101.42 139.18,101.37 139,101.37 139,103.54 139.78,104.32
GND on ART14 (solid shape): 185.68,293.02 185.73,292.98 185.8,292.96 186.24,292.96 186.3,292.82 186.28,292.79 186.09,292.51 186.03,292.18 186.03,292.11 186.04,292.01 185.89,291.93 184.66,293.17 184.6,293.2 184.53,293.22 168.6,293.22 168.54,293.2 168.48,293.17 165.71,290.4 160.97,290.4 160.97,290.62 162.35,292 162.56,292 162.68,291.89 162.84,291.85 163.45,291.85 163.68,291.94 163.78,292.18 163.7,292.39 163.49,292.5 163.45,292.51 163.45,292.66 163.49,292.66 163.7,292.77 163.78,292.99 163.72,293.18 163.57,293.3 163.54,293.31 163.51,293.44 163.59,293.52 185.17,293.52
GND on ART14 (solid shape): 47.76,270.2 47.75,270.13 47.85,269.9 48.08,269.8 48.18,269.81 48.27,269.86 48.3,269.88 48.43,269.81 48.43,268.7 48.15,268.42 48.08,268.43 47.85,267.86 48.41,268.1 48.41,268.17 48.57,268.33 48.63,268.31 48.63,266.67 48.18,266.22 48.15,266.16 48.13,266.09 48.13,265.07 48.15,265.01 48.18,264.95 48.51,264.62 48.51,264.28 48.36,264.22 48.33,264.25 48.22,264.33 48.08,264.36 48.01,264.36 47.47,264.89 47.47,270.4 47.54,270.42
GND on ART14 (solid shape): 48.39,285.52 48.39,285.42 48.53,285.07 48.88,284.91 48.9,284.91 48.95,284.86 48.85,284.76 48.81,284.7 48.79,284.63 48.79,276.63 48.81,276.56 48.85,276.5 49.35,276 49.35,275.06 49.29,275.03 47.55,276.77 47.55,277.2 47.67,277.28 47.69,277.27 47.76,277.25 47.83,277.24 48.16,277.57 47.83,277.9 47.76,277.89 47.69,277.87 47.67,277.86 47.55,277.94 47.55,279.29 47.67,279.36 47.69,279.35 47.76,279.33 47.83,279.32 48.16,279.65 47.83,279.98 47.76,279.98 47.69,279.96 47.67,279.94 47.55,280.02 47.55,284.9 48.24,285.59
GND on ART14 (solid shape): 178.63,291.22 178.6,291.2 178.15,290.69 177.98,290.03 178.14,289.37 178.59,288.86 178.62,288.83 178.57,288.67 174.03,288.67 173.97,288.83 174,288.85 174.09,288.96 174.12,289.1 174.02,289.34 173.79,289.43 173.18,289.43 172.94,289.34 172.85,289.1 172.88,288.96 172.96,288.85 172.99,288.83 172.93,288.67 170.86,288.67 170.8,288.83 170.84,288.86 171.28,289.37 171.44,290.03 171.28,290.69 170.82,291.2 170.79,291.22 170.84,291.39 178.58,291.39
GND on ART14 (solid shape): 42.67,287.83 42.67,281.64 42.56,281.56 42.49,281.58 42.44,281.58 42.11,281.25 42.44,280.92 42.49,280.93 42.56,280.95 42.67,280.87 42.67,279.91 42.56,279.84 42.49,279.85 42.44,279.86 42.11,279.53 42.44,279.2 42.49,279.2 42.56,279.22 42.67,279.14 42.67,278.19 42.56,278.11 42.49,278.13 42.44,278.13 42.11,277.8 42.44,277.47 42.49,277.47 42.56,277.49 42.67,277.41 42.67,276.51 42.56,276.43 42.49,276.45 42.44,276.45 42.21,276.36 42.11,276.13 42.11,276.1 41.96,276.04 41.76,276.25 41.76,287 42.61,287.86
GND on ART14 (solid shape): 203.83,278.57 203.81,278.55 203.75,278.45 203.73,278.33 203.83,278.1 204.06,278 204.14,278.01 205.13,277.01 205.13,263.02 205.14,262.95 205.18,262.89 205.99,262.08 205.99,260.86 205.35,260.21 205.28,260.23 205.28,260.78 205.27,260.85 205.23,260.91 204.84,261.29 204.85,261.37 204.75,261.6 204.52,261.7 204.45,261.69 204.39,261.67 204.36,261.66 204.24,261.73 204.24,269.9 204.77,270.43 204.81,270.49 204.83,270.56 204.83,270.87 204.94,270.99 204.98,271.14 204.88,271.38 204.65,271.48 204.59,271.47 204.54,271.46 204.5,271.44 204.41,271.62 204.57,271.78 204.61,271.84 204.62,271.91 204.62,274.9 204.61,274.97 204.57,275.03 204.39,275.21 204.39,275.29 204.3,275.52 204.06,275.62 204.01,275.61 203.94,275.59 203.84,275.67 203.84,276.25 203.82,276.32 203.78,276.38 203.58,276.58 203.58,277.22 203.25,277.55 202.92,277.22 202.92,277.14 202.63,276.84 202.57,276.87 202.57,278.01 202.97,278.41 203,278.45 203.02,278.5 203.02,278.52 203.13,278.58 203.15,278.58 203.2,278.57 203.25,278.56 203.41,278.6 203.53,278.71 203.77,278.71
GND on ART14 (solid shape): outline of 163 points within 31.58,263.88 33.73,269.41
GND on ART14 (solid shape): outline of 188 points within 33.8,263.12 36.02,273.11
GND on ART14 (solid shape): outline of 212 points within 162.1,29.4 176.61,91.67
GND on ART14 (solid shape): outline of 207 points within 191.59,273.31 193.78,285.61
GND on ART14 (solid shape): outline of 83 points within 200.46,259.96 201.7,270.31
GND on ART14 (solid shape): outline of 277 points within 161.09,71.31 167.61,87.73
GND on ART14 (solid shape): outline of 264 points within 140.63,91.04 144.94,102.08
GND on ART14 (solid shape): outline of 264 points within 144.72,91.04 149.03,102.08
GND on ART14 (solid shape): outline of 272 points within 148.81,91.04 153.12,102.08
GND on ART14 (solid shape): outline of 514 points within 210.11,241.48 213.99,302.55
GND on ART14 (solid shape): outline of 32875 points within 88.27,192.55 145.06,249.78
GND on ART14 (solid shape): outline of 122755 points within 0.31,0.31 243.53,304.49
GND on GND15 (solid shape): outline of 212028 points within 0.31,0.31 243.53,304.49
GND_EARTH on TOP (solid shape): outline of 1586 points within 0.31,223.6 24.36,251.33
GND_EARTH on BOTTOM (solid shape): 5.41,244.98 4.5,244.98 4.5,250.34 5.41,250.34
GND_EARTH on BOTTOM (solid shape): 24.36,244.98 23.44,244.98 23.44,248.67 24.36,248.67
GND_EARTH on BOTTOM (solid shape): outline of 1723 points within 0.31,223.6 24.36,251.33
GND_EARTH on GND02 (solid shape): outline of 1573 points within 0.31,223.6 24.36,251.33
GND_EARTH on ART03 (solid shape): outline of 1547 points within 0.31,223.6 24.36,251.33
GND_EARTH on GND04 (solid shape): outline of 1573 points within 0.31,223.6 24.36,251.33
GND_EARTH on ART05 (solid shape): outline of 1573 points within 0.31,223.6 24.36,251.33
GND_EARTH on GND06 (solid shape): outline of 1573 points within 0.31,223.6 24.36,251.33
GND_EARTH on ART07 (solid shape): outline of 1573 points within 0.31,223.6 24.36,251.33
GND_EARTH on PWR08 (solid shape): outline of 1573 points within 0.31,223.6 24.36,251.33
GND_EARTH on GND09 (solid shape): outline of 1573 points within 0.31,223.6 24.36,251.33
GND_EARTH on ART10 (solid shape): outline of 1573 points within 0.31,223.6 24.36,251.33
GND_EARTH on GND11 (solid shape): outline of 1573 points within 0.31,223.6 24.36,251.33
GND_EARTH on ART12 (solid shape): outline of 1573 points within 0.31,223.6 24.36,251.33
GND_EARTH on GND13 (solid shape): outline of 1573 points within 0.31,223.6 24.36,251.33
GND_EARTH on ART14 (solid shape): outline of 1911 points within 0.31,223.6 24.36,251.33
GND_EARTH on GND15 (solid shape): outline of 1573 points within 0.31,223.6 24.36,251.33
P5V_USB_REAR1 on TOP (solid shape): 22.53,219.51 22.4,219.38 20.14,219.38 20.14,220.02 19.51,220.02 19.51,221.31 19.66,221.67 20.02,221.82 22.53,221.82
P5V_USB_REAR1 on ART14 (solid shape): outline of 1280 points within 9.43,210.36 20.55,221.28
P5V_USB_REAR2 on TOP (solid shape): 22.53,223.8 22.4,223.67 20.14,223.67 20.14,224.31 19.51,224.31 19.51,225.6 19.66,225.96 20.02,226.11 22.53,226.11
P5V_USB_REAR2 on ART03 (solid shape): outline of 1375 points within 9.43,210.36 20.9,225.58
P5V_USB_REAR3 on TOP (solid shape): 22.53,201.6 22.4,201.47 20.14,201.47 20.14,202.11 19.51,202.11 19.51,203.4 19.66,203.76 20.02,203.91 22.53,203.91
P5V_USB_REAR3 on ART14 (solid shape): outline of 1284 points within 9.43,192.44 20.55,203.38
P5V_USB_REAR4 on TOP (solid shape): 22.53,205.89 22.4,205.77 20.14,205.77 20.14,206.4 19.51,206.4 19.51,207.7 19.66,208.06 20.02,208.2 22.53,208.2
P5V_USB_REAR4 on ART03 (solid shape): outline of 1376 points within 9.43,192.45 20.9,207.67
VBUS2 on TOP (solid shape): 12.9,159.23 14.25,159.23 14.25,157.88 14.63,157.88 14.63,156.36 14.48,156 14.12,155.85 11.7,155.85 11.7,157.4 12.32,157.4 12.32,159.03 11.7,159.03 11.7,159.1 11.85,159.46 12.2,159.61 12.9,159.61
VDD_1V05 on TOP (solid shape): 217.66,142.44 215.7,142.44 214.43,143.71 214.43,145.64 217.66,145.64
VDD_1V05 on TOP (solid shape): 214.43,144.58 214.93,144.58 215.24,144.27 215.24,143.36 215.14,143.26 214.88,143.26 213.54,144.6 213.54,145.01 214.17,145.01 214.17,145.64 214.43,145.64
VDD_1V05 on ART03 (solid shape): outline of 1114 points within 214.43,143.76 228.7,158.65
VDD_1V05 on ART12 (solid shape): outline of 4270 points within 33.81,132.79 216.31,148.03
VDD_1V05_ASM on TOP (solid shape): 170.15,74.35 170.15,70.03 168,70.03 163.55,70.03 163.55,74.35 168,74.35
VDD_1V25 on TOP (solid shape): 213.13,67.54 211.86,66.27 209.93,66.27 209.93,69.51 213.13,69.51
VDD_1V25 on TOP (solid shape): 216,66.37 214.99,65.35 210.59,65.35 210.59,65.99 209.96,65.99 209.96,68.25 216,68.25
VDD_2V5_ASM on TOP (solid shape): 131.65,84.28 131.65,82.35 128.39,82.35 128.39,85.55 130.38,85.55
VDD_2V5_ASM on TOP (solid shape): 132.54,84.53 132.54,82.98 131.9,82.98 131.9,82.35 130.38,82.35 130.38,84.37 130.56,84.76 130.38,85.15 130.38,85.55 131.52,85.55
VDD_2V5_ASM on BOTTOM (solid shape): 133.76,83.74 133.76,82.37 130.63,82.37 130.12,82.88 130.12,84.05 130.18,84.19 130.33,84.25 133.25,84.25
VDD_3V3 on TOP (solid shape): 216.05,188.7 216.05,184.33 212.5,184.33 211.73,185.09 211.73,188.7 211.73,190.86 216.05,190.86
VDD_3V3 on TOP (solid shape): 41.97,228.34 41.55,228.34 41.55,227.47 40.87,227.47 40.87,228.09 40.11,228.09 40.11,227.47 39.04,227.47 39.04,228.65 39.45,229.06 41.97,229.06
VDD_3V3 on TOP (solid shape): 191.35,228.34 190.92,228.34 190.92,227.47 190.25,227.47 190.25,228.09 189.48,228.09 189.48,227.47 188.42,227.47 188.42,228.65 188.82,229.06 191.35,229.06
VDD_3V3 on ART05 (solid shape): outline of 8643 points within 188.06,97.89 239.27,233.45
VDD_3V3 on PWR08 (solid shape): outline of 67286 points within 31.9,41.78 222.48,272.14
VDD_5V on TOP (solid shape): 223.78,219.14 220.18,219.14 213.79,225.53 213.79,227.35 214.35,227.35 214.35,228.01 223.78,228.01
VDD_5V on TOP (solid shape): 43.58,188.88 44.75,188.88 44.75,185.32 44.7,185.17 44.55,185.12 42.49,185.12 42.49,190.93 43.04,190.93 43.04,193.33 43.58,193.33
VDD_5V on TOP (solid shape): 193.09,188.88 194.26,188.88 194.26,185.32 194.2,185.17 194.06,185.12 192,185.12 192,190.93 192.55,190.93 192.55,193.33 193.09,193.33
VDD_5V on TOP (solid shape): 225.63,96.7 226.26,96.7 226.26,95.96 224.86,95.96 224.86,95.39 224.43,95.39 224.43,97.13 224.49,97.27 224.64,97.33 225.63,97.33
VDD_5V on TOP (solid shape): 44.55,183.72 44.7,183.66 44.75,183.51 44.75,178.71 44.23,178.71 44.23,175.31 44.13,175.31 44.13,174.43 43.51,174.43 43.51,176.56 42.49,176.56 42.49,183.08 43.1,183.08 43.1,183.72
VDD_5V on TOP (solid shape): 192.84,183.72 192.98,183.66 193.04,183.51 193.04,178.71 192.52,178.71 192.52,175.31 192.42,175.31 192.42,174.43 191.79,174.43 191.79,176.56 190.77,176.56 190.77,183.08 191.39,183.08 191.39,183.72
VDD_5V on TOP (solid shape): 124.87,160.78 125.01,160.72 125.07,160.58 125.07,159.04 123.5,159.04 123.5,159.66 122.73,159.66 122.73,159.04 122.34,159.04 122.34,159.78 122.47,159.91 123.22,160.65 123.29,160.65 123.29,160.73 123.35,160.78
VDD_5V on TOP (solid shape): 125.21,83.04 125.96,82.29 125.96,82.22 126.03,82.22 126.09,82.17 126.09,80.64 126.03,80.5 125.88,80.44 124.35,80.44 124.35,82.02 124.97,82.02 124.97,82.78 124.35,82.78 124.35,83.17 125.08,83.17
VDD_5V on TOP (solid shape): 131.06,155.32 131.21,155.26 131.27,155.12 131.27,153.58 129.69,153.58 129.69,154.2 128.93,154.2 128.93,153.58 128.54,153.58 128.54,154.32 128.67,154.45 129.41,155.19 129.49,155.19 129.49,155.27 129.54,155.32
VDD_5V on TOP (solid shape): 165.61,107.72 166.37,107.72 166.37,108.34 166.76,108.34 166.76,107.61 166.63,107.48 165.89,106.73 165.81,106.73 165.81,106.66 165.76,106.6 164.24,106.6 164.09,106.66 164.03,106.81 164.03,108.34 165.61,108.34
VDD_5V on TOP (solid shape): 180.73,79.59 181.48,78.84 181.48,78.77 181.56,78.77 181.61,78.71 181.61,77.19 181.55,77.05 181.41,76.99 179.87,76.99 179.87,78.56 180.49,78.56 180.49,79.32 179.87,79.32 179.87,79.71 180.61,79.71
VDD_5V on TOP (solid shape): 209.6,72.92 210.36,72.92 210.36,73.55 210.75,73.55 210.75,72.81 210.63,72.68 209.88,71.93 209.8,71.93 209.8,71.86 209.75,71.81 208.23,71.81 208.09,71.87 208.03,72.01 208.03,73.55 209.6,73.55
VDD_5V on TOP (solid shape): 213.22,102.03 212.6,102.03 212.6,101.27 213.22,101.27 213.22,100.88 212.48,100.88 212.36,101.01 211.61,101.75 211.61,101.83 211.53,101.83 211.48,101.88 211.48,103.4 211.54,103.55 211.68,103.61 213.22,103.61
VDD_5V on TOP (solid shape): 221.7,145.97 221.08,145.97 221.08,145.21 221.7,145.21 221.7,144.82 220.97,144.82 220.84,144.95 220.09,145.7 220.09,145.77 220.02,145.77 219.96,145.82 219.96,147.35 220.02,147.49 220.17,147.55 221.7,147.55
VDD_5V on TOP (solid shape): 225.13,265.46 224.51,265.46 224.51,264.69 225.13,264.69 225.13,264.3 224.39,264.3 224.27,264.43 223.52,265.18 223.52,265.25 223.45,265.25 223.39,265.31 223.39,266.83 223.45,266.97 223.6,267.03 225.13,267.03
VDD_5V on TOP (solid shape): 225.13,258.83 224.51,258.83 224.51,258.06 225.13,258.06 225.13,257.68 224.39,257.68 224.27,257.8 223.52,258.55 223.52,258.62 223.45,258.62 223.39,258.68 223.39,260.2 223.45,260.34 223.6,260.4 225.13,260.4
VDD_5V on TOP (solid shape): 187.78,71.98 188.42,71.98 188.42,70.46 187.91,69.95 183.16,69.95 182.63,70.48 182.63,70.99 182.54,71.22 182.32,71.32 182.25,71.35 182.18,71.36 181.53,71.36 181.5,71.36 181,71.36 180.55,70.91 178.35,70.91 178.35,71.78 179.78,71.78 179.78,72.6 187.78,72.6
VDD_5V on TOP (solid shape): 216.13,208.61 216.13,203.86 215.6,203.33 215.09,203.33 214.86,203.24 214.76,203.02 214.73,202.95 214.72,202.88 214.72,202.23 214.72,202.2 214.72,201.7 215.17,201.25 215.17,199.05 214.3,199.05 214.3,200.49 213.48,200.49 213.48,208.48 214.1,208.48 214.1,209.12 215.62,209.12
VDD_5V on TOP (solid shape): 114.91,150.35 114.91,148.92 115.73,148.92 115.73,140.92 115.11,140.92 115.11,140.28 113.59,140.28 113.08,140.79 113.08,145.54 113.61,146.07 114.12,146.07 114.35,146.16 114.45,146.39 114.48,146.45 114.49,146.52 114.49,147.17 114.49,147.21 114.49,147.7 114.04,148.15 114.04,150.35
VDD_5V on BOTTOM (solid shape): 44.75,187.63 44.75,185.32 44.7,185.17 44.55,185.12 42.51,185.12 42.51,188.14 44.25,188.14
VDD_5V on BOTTOM (solid shape): 194.26,187.63 194.26,185.32 194.2,185.17 194.06,185.12 192.01,185.12 192.01,188.14 193.75,188.14
VDD_5V on ART10 (solid shape): outline of 109986 points within 19.48,0.86 242.98,303.94
VDD_12V on TOP (solid shape): 223.78,235.03 218.31,235.03 218.14,235.03 218.14,235.66 217.5,235.66 217.5,241.84 219.53,243.87 223.78,243.87
VDD_12V on TOP (solid shape): 95.63,299.9 95.92,299.78 96.04,299.49 96.04,297.32 91.36,297.32 91.36,298.57 91.59,298.57 91.59,298.75 91.73,298.75 91.73,298.57 93.59,298.57 93.59,299.23 93.59,299.27 93.59,299.49 93.71,299.78 94,299.9
VDD_12V on TOP (solid shape): 103.79,142.5 103.56,142.5 103.56,142.32 103.42,142.32 103.42,142.5 101.56,142.5 101.56,141.84 101.56,141.8 101.56,141.58 101.44,141.29 101.15,141.17 99.52,141.17 99.23,141.29 99.11,141.58 99.11,143.75 103.79,143.75
VDD_12V on TOP (solid shape): 105.87,299.9 106.15,299.78 106.27,299.49 106.27,297.32 101.6,297.32 101.6,298.57 101.83,298.57 101.83,298.75 101.97,298.75 101.97,298.57 103.83,298.57 103.83,299.23 103.83,299.27 103.83,299.49 103.95,299.78 104.24,299.9
VDD_12V on TOP (solid shape): 116.1,299.9 116.39,299.78 116.51,299.49 116.51,297.32 111.83,297.32 111.83,298.57 112.06,298.57 112.06,298.75 112.2,298.75 112.2,298.57 114.06,298.57 114.06,299.23 114.07,299.27 114.07,299.49 114.18,299.78 114.47,299.9
